# KiCad board visionboard.kicad_pcb (continued)
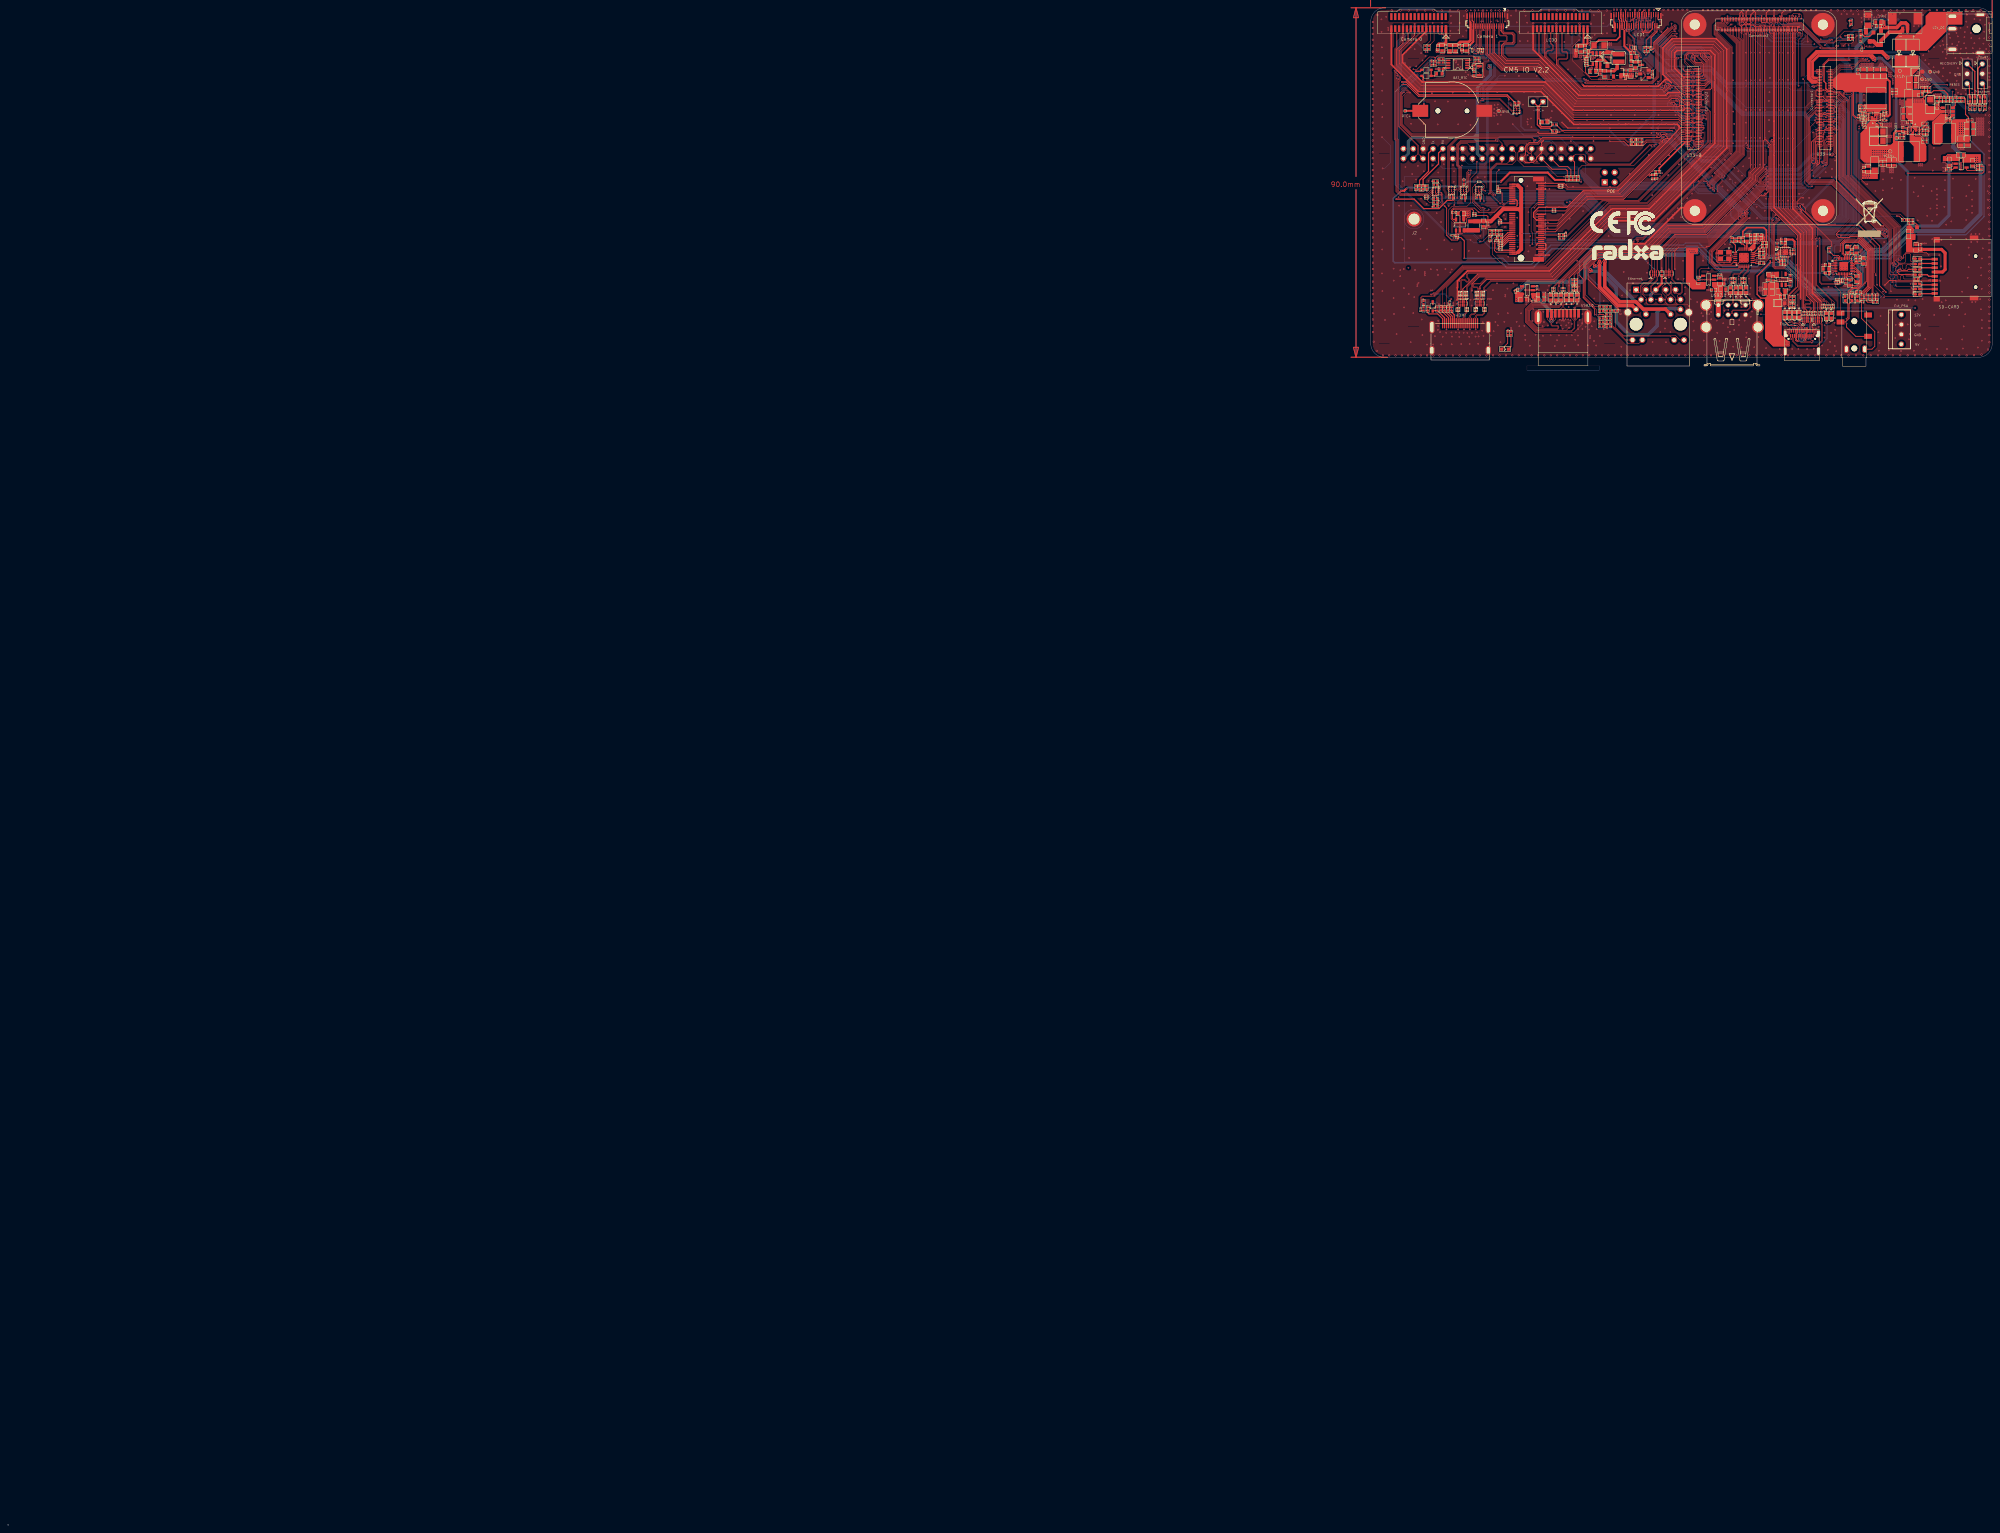
[diagram p0: board, top side]
## Routing (per net, layer and track width the routed paths; a pad name or vN(x,y) marks a point on that pad's centre or on a via; arc(x,y) is an arc through that point) (continued)
I2C8_SCL_M2_CAM: length 185.8
  Top w0.1: v1(378.06,379.59) 378.06,380.77 378.53,381.24 J5002.24 ; U33.35 467.52,361.98 v1(467.48,362.02) ; v1(379.56,367.37) 379.58,367.39 384.21,367.39 387.29,364.31 U90136.B3 ; U90129.1 470.44,325.63 470.18,325.89 470.18,326.22 470.41,326.44 v1(470.46,326.44)
  Power w0.1: v1(476.66,359.69) 474.78,361.57 473.23,361.57 472.26,360.59 468.46,360.59 467.48,361.57 v1(467.48,362.02)
  Bottom w0.1: v1(476.66,359.69) 476.51,359.54 476.51,334.16 472.06,329.72 470.61,329.72 470.23,329.34 470.23,326.67 v1(470.46,326.44) ; v1(379.56,367.37) 379.71,367.52 379.71,370.19 382.81,373.29 382.81,376.57 381.71,377.67 378.34,377.67 377.36,378.65 377.36,380.11 377.56,380.32 377.85,380.32 378.06,380.11 v1(378.06,379.59) 377.76,379.29 377.76,378.82 378.51,378.07 380.51,378.07 381.58,379.14 420.46,379.14 421.53,378.07 421.98,378.07 427.63,372.42 437.56,372.42 446.61,363.37 462.64,363.37 463.86,362.14 467.36,362.14 v1(467.48,362.02)
I2C8_SDA_M2: length 64.6
  Top w0.1: v1(417.69,356.78) 418.18,356.78 R95609.1 ; v1(420.5,377.95) 420.5,378.8 R95471.1 ; v1(389.41,363.81) 389.03,363.81 U90136.A1
  Bottom w0.1: v1(389.41,363.81) 389.56,363.66 389.56,360.17 390.55,359.18 412.32,359.18 416.16,355.33 417.84,355.33 418.04,355.54 418.04,356.22 417.69,356.57 v1(417.69,356.78) 417.69,357.14 423.78,363.23 423.78,374.89 420.72,377.95 v1(420.5,377.95)
I2C8_SDA_M2_CAM: length 183.8
  Top w0.1: U90129.32 471.31,326.49 471.21,326.59 470.96,326.59 v1(470.96,326.52) ; v1(377.71,379.97) 377.71,380.7 378.23,381.23 J5002.25 ; v1(465.26,361.79) 465.44,361.98 U33.36 ; v1(379.83,366.94) 379.83,366.97 380.06,367.19 384.12,367.19 387.51,363.81 U90136.A3
  Power w0.1: v1(476.71,360.24) 475.18,361.77 473.13,361.77 472.16,360.79 468.61,360.79 467.91,361.5 467.91,362.09 467.63,362.37 467.33,362.37 466.76,361.79 v1(465.26,361.79)
  Bottom w0.1: 380.83,377.94 380.83,378.11 ; 380.83,377.94 380.69,377.94 380.69,377.97 ; 380.83,377.94 380.91,377.87 ; 380.83,378.11 381.66,378.94 420.31,378.94 421.39,377.86 421.9,377.86 427.55,372.22 437.47,372.22 446.52,363.17 462.56,363.17 463.93,361.79 v1(465.26,361.79) ; 380.83,378.11 380.69,377.97 ; 380.59,377.87 380.69,377.97 ; 380.59,377.87 378.42,377.87 377.56,378.74 377.56,379.84 377.68,379.97 v1(377.71,379.97) ; 380.59,377.87 380.91,377.87 ; v1(379.83,366.94) 379.91,366.94 379.91,370.11 383.01,373.21 383.01,376.65 381.79,377.87 380.91,377.87 ; v1(470.96,326.52) 470.43,327.04 470.43,329.26 470.69,329.52 472.15,329.52 476.71,334.08 476.71,359.17 477.01,359.47 477.01,359.94 v1(476.71,360.24)
I2S0_LRCK_TX: length 64.5
  Top w0.1: U90129.8 470.12,322.83 v1(469.93,322.64) ; U33.48 465.68,364.38 463.77,362.46 463.77,346.54 464.19,346.12 469.87,346.12 482.22,333.77 482.68,333.77 482.88,333.56 482.88,332.84 483.13,332.59 v1(483.38,332.59)
  Bottom w0.1: v1(469.93,322.64) 470.41,323.12 470.41,324.42 470.63,324.64 472.48,324.64 480.43,332.59 v1(483.38,332.59)
I2S0_MCLK: length 61
  Top w0.1: v1(470.06,325.27) 470.06,325.24 470.06,325.23 U90129.2 ; U33.50 465.8,364.78 463.57,362.55 463.57,346.44 464.09,345.92 469.79,345.92 482.29,333.42 v1(482.53,333.42)
  Bottom w0.1: v1(482.53,333.42) 480.36,333.42 472.18,325.24 470.06,325.24 v1(470.06,325.27)
I2S0_SCLK_TX: length 62.7
  Top w0.1: U33.46 465.58,363.98 463.97,362.36 463.97,346.64 464.29,346.32 469.96,346.32 482.31,333.97 482.78,333.97 483.23,333.52 483.23,333.39 v1(483.28,333.34) ; v1(469.86,323.64) 470.68,323.64 U90129.6
  Bottom w0.1: v1(469.86,323.64) 469.86,324.44 470.46,325.04 472.28,325.04 480.28,333.04 482.98,333.04 v1(483.28,333.34)
I2S0_SDI0: length 67
  Top w0.1: v1(483.48,331.89) 483.25,331.89 469.62,345.52 463.89,345.52 463.17,346.24 463.17,363.4 465.34,365.58 U33.54 ; v1(470.93,322.12) 471.31,322.12 U90129.9
  Bottom w0.1: v1(483.48,331.89) 482.98,332.39 480.53,332.39 472.58,324.44 470.81,324.44 470.61,324.24 470.61,322.44 v1(470.93,322.12)
I2S0_SDO0: length 61.3
  Top w0.1: U90129.7 469.95,323.23 v1(469.86,323.14) ; v1(483.73,333.09) 483.73,333.39 482.95,334.17 482.41,334.17 470.06,346.52 464.39,346.52 464.17,346.74 464.17,360.16 465.58,361.58 U33.34
  Bottom w0.1: v1(469.86,323.14) 470.21,323.49 470.21,324.51 470.54,324.84 472.38,324.84 480.38,332.84 483.14,332.84 483.24,332.94 483.58,332.94 v1(483.73,333.09)
LCD1_3V3: length 30.7
  Top w0.1: v2(416.23,385.19) 416.23,385.27
  Top w0.25: U90104.31 415.93,387.44 416.23,387.14 U90104.30 416.23,385.27 ; v2(424.93,388.04) U90104.1 ; v2(418.03,385.19) U90104.24
  Top w0.5: 419.08,376.89 C90772.1 417.98,378.09 ; 419.08,376.89 R95530.2 ; 419.08,376.89 C2335.1 ; 417.98,378.09 C90751.1 416.23,380.94 v2(416.23,385.19) ; 417.98,378.09 C90750.1
  Power w0.3: v2(424.93,388.04) 424.08,388.89 418.31,388.89 416.23,386.82 v2(416.23,385.19)
  Bottom w0.4: v2(416.23,385.19) v2(418.03,385.19)
LCD_PWREN_H: length 48.3
  Top w0.1: J24.34 454.37,386.65 454.36,386.64 v1(454.01,386.32) ; v1(429.03,385.09) 429.38,385.09 429.71,385.42 429.71,386.09 429.38,386.42 429.04,386.42 424.31,381.68 424.31,375.29 R95042.1
  Power w0.1: v1(429.03,385.09) 429.06,385.12 429.76,385.12 431.41,383.47 443.26,383.47 444.79,381.94 453.11,381.94 453.88,382.72 453.88,386.17 454.02,386.31 v1(454.01,386.32)
LCD_RESET_L: length 55.1
  Top w0.1: U33.41 468.54,363.18 v1(468.38,363.02) ; v1(421.43,379.17) R95468.1
  Bottom w0.1: v1(421.43,379.17) 421.76,379.17 427.36,373.57 437.26,373.57 446.86,363.97 462.91,363.97 463.81,363.07 468.33,363.07 v1(468.38,363.02)
MIC_IN2P: length 138.3
  Top w0.051: 476.29,315.52 476.29,315.71 ; 476.19,315.58 476.19,315.77 ; 476.33,315.5 476.33,315.69 ; 476.41,315.42 476.41,315.61 ; 476.27,315.56 476.27,315.75 ; 476.37,315.46 476.37,315.65 ; 476.08,315.46 476.08,315.65 ; 476.22,315.6 476.22,315.79 ; 476.04,315.42 476.04,315.61 ; 476.17,315.54 476.17,315.73 ; 476.24,315.59 476.24,315.78 ; 476.14,315.51 476.14,315.7 ; 476.12,315.49 476.12,315.68
  Top w0.2: ED2109.1 476.23,315.14 477.26,315.14 C90084.1 ; C90084.1 477.28,315.89 C560.2 R7313.1 478.56,315.29 478.88,314.97 479.91,314.97 ; C90084.1 477.28,310.79 480.71,307.37 480.71,303.62 479.96,302.87 J15.5 ; 479.91,314.97 v1(479.91,314.94) ; 479.91,314.97 R7314.2 ; R7120.1 400.21,359.14 v1(428.58,359.14) ; v1(461.51,339.82) 461.51,339.36 466.07,334.79 476.58,334.79 481.96,329.42 481.96,319.17 v1(483.56,317.57)
  Bottom w0.2: v1(483.56,317.57) 480.93,314.94 v1(479.91,314.94) ; v1(461.51,339.82) 461.26,339.57 452.47,339.57 440.29,351.74 436.23,351.74 429.11,358.87 428.86,358.87 v1(428.58,359.14)
MICBIAS1: length 24.1
  Top w0.2: v1(474.53,329.57) 474.38,329.42 474.38,328.28 473.81,327.71 C562.1 U90129.26 ; C7320.1 R7313.2 478.56,317.49 479.73,318.67 479.73,328.42 476.7,331.44 v1(476.43,331.44)
  Bottom w0.2: v1(474.53,329.57) 474.54,329.56 v1(476.43,331.44)
MIPI_CAM2_PDN_L: length 98.5
  Top w0.1: v1(468.33,364.24) 468.33,364.29 468.42,364.38 U33.47 ; R814.1 378.61,379.59 v1(378.61,379.12)
  Bottom w0.1: v1(378.61,379.12) 378.61,378.77 378.88,378.49 380.33,378.49 381.38,379.54 421.67,379.54 426.85,374.37 438.31,374.37 447.51,365.17 463.26,365.17 464.18,364.24 v1(468.33,364.24)
MIPI_CAM2_RST_L: length 97.7
  Top w0.1: v1(378.11,378.99) 377.43,378.99 377.03,379.39 R95580.1 ; v1(465.58,362.49) 465.7,362.38 U33.38
  Bottom w0.1: v1(465.58,362.49) 463.81,362.49 462.73,363.57 446.69,363.57 437.09,373.17 427.17,373.17 422.07,378.27 421.63,378.27 420.56,379.34 381.48,379.34 380.43,378.29 378.78,378.29 378.09,378.98 v1(378.11,378.99)
MIPI_CSI0_RX_CLK0N: length 90.7
  Top w0.1: U33.140 432.05,362.78 431.93,362.89 430.91,362.89 430.13,363.67 403.01,363.67 395.58,371.09 363.93,371.09 358.56,376.47 358.56,379.42 363.41,384.27 363.41,384.62 363.23,384.79 J7.8
MIPI_CSI0_RX_CLK0P: length 90.5
  Top w0.1: J7.7 364.23,384.81 358.76,379.33 358.76,376.56 364.02,371.29 395.68,371.29 403.11,363.87 430.21,363.87 430.99,363.09 431.96,363.09 432.04,363.18 U33.142
MIPI_CSI0_RX_D0N: length 91.6
  Top w0.1: U33.128 432.02,360.38 431.93,360.47 430.98,360.47 430.18,361.27 403.23,361.27 394.86,369.64 363.28,369.64 357.13,375.79 357.13,380.22 357.48,380.57 357.48,384.54 357.23,384.79 J7.14
MIPI_CSI0_RX_D0P: length 91.4
  Top w0.1: U33.130 432.07,360.78 431.96,360.67 431.06,360.67 430.26,361.47 403.36,361.47 394.98,369.84 363.38,369.84 357.33,375.89 357.33,380.11 357.68,380.46 357.68,384.27 358.23,384.82 J7.13
MIPI_CSI0_RX_D1N: length 91.2
  Top w0.1: U33.134 432.05,361.58 431.96,361.67 430.89,361.67 430.09,362.47 403.16,362.47 395.26,370.37 363.61,370.37 357.83,376.14 357.83,379.9 360.48,382.55 360.48,384.54 360.23,384.79 J7.11
MIPI_CSI0_RX_D1P: length 91
  Top w0.1: U33.136 432.04,361.98 431.93,361.87 430.98,361.87 430.18,362.67 403.26,362.67 395.36,370.57 363.71,370.57 358.03,376.24 358.03,379.82 360.68,382.47 360.68,384.27 361.23,384.82 J7.10
MIPI_DPHY0_RX_CLKN: length 74.3
  Top w0.1: U33.127 435.18,360.39 v1(436.01,360.39) ; v1(430.93,365.24) 430.78,365.09 403.18,365.09 393.51,374.77 384.76,374.77 380.63,378.89 J5002.17
  Bottom w0.1: v1(436.01,360.39) 435.86,360.54 435.29,360.54 431.01,364.82 431.01,365.17 v1(430.93,365.24)
MIPI_DPHY0_RX_CLKP: length 74.4
  Top w0.1: U33.129 436.15,360.78 v1(436.51,360.42) ; J5002.18 380.33,385.47 380.41,385.39 380.41,378.82 384.66,374.57 393.42,374.57 403.1,364.89 431.28,364.89 v1(431.36,364.97)
  Bottom w0.1: v1(436.51,360.42) 436.58,360.49 436.96,360.49 437.16,360.69 437.16,360.94 437.03,361.07 436.66,361.07 436.33,360.74 435.38,360.74 431.36,364.77 v1(431.36,364.97)
MIPI_DPHY0_RX_D0N: length 75
  Top w0.1: J5002.14 381.53,385.34 381.63,385.24 381.63,378.94 385.11,375.47 393.8,375.47 403.47,365.79 428.46,365.79 v1(428.61,365.94) ; v1(436.01,357.92) 435.7,357.93 435.18,357.93 U33.115
  Bottom w0.1: v1(436.01,357.92) 435.86,358.07 435.16,358.07 428.73,364.49 428.73,365.34 428.58,365.49 427.46,365.49 427.26,365.69 427.26,366.14 427.46,366.34 428.21,366.34 v1(428.61,365.94)
MIPI_DPHY0_RX_D0P: length 75.3
  Top w0.1: 381.26,388.94 J5002.15 381.23,385.34 381.43,385.14 381.43,378.84 385.01,375.27 393.71,375.27 403.39,365.59 428.91,365.59 v1(429.08,365.77) ; v1(436.01,358.42) 435.18,358.42 U33.117
  Bottom w0.1: v1(436.01,358.42) 435.86,358.27 435.26,358.27 428.93,364.59 428.93,365.62 v1(429.08,365.77)
MIPI_DPHY0_RX_D1N: length 74.2
  Top w0.1: v1(429.56,367.02) 429.56,366.87 428.26,366.87 427.88,366.49 403.76,366.49 394.04,376.22 385.43,376.22 382.43,379.22 J5002.11 ; v1(436.01,359.12) 435.95,359.18 U33.121
  Bottom w0.1: v1(436.01,359.12) 435.86,359.27 435.2,359.27 429.78,364.69 429.78,366.44 429.56,366.67 v1(429.56,367.02)
MIPI_DPHY0_RX_D1P: length 74.4
  Top w0.1: U33.123 436.25,359.58 v1(436.41,359.42) ; v1(429.98,366.74) 429.91,366.67 428.36,366.67 427.98,366.29 403.68,366.29 393.98,375.99 385.36,375.99 382.23,379.12 382.23,385.37 382.13,385.47 J5002.12
  Bottom w0.1: v1(436.41,359.42) 436.36,359.47 435.28,359.47 429.98,364.77 429.98,366.22 430.13,366.37 430.33,366.37 430.46,366.49 430.46,367.37 430.31,367.52 430.06,367.52 429.91,367.37 429.91,366.82 v1(429.98,366.74)
MIPI_DPHY0_RX_D2N: length 74.6
  Top w0.1: v1(431.01,366.62) 430.86,366.77 430.86,367.14 430.13,367.87 428.21,367.87 427.53,367.19 404.05,367.19 394.33,376.92 385.78,376.92 384.06,378.64 384.06,381.84 384.26,382.04 385.76,382.04 386.03,382.32 386.03,383.44 385.73,383.74 384.31,383.74 384.06,383.99 384.06,385.17 384.23,385.34 J5002.5 ; U33.133 435.18,361.59 v1(436.01,361.59)
  Bottom w0.1: v1(436.01,361.59) 435.61,361.59 431.08,366.12 431.08,366.54 v1(431.01,366.62)
MIPI_DPHY0_RX_D2P: length 75.2
  Top w0.1: v1(436.31,361.99) 436.31,361.98 U33.135 ; v1(431.43,366.32) 431.38,366.27 430.86,366.27 430.66,366.47 430.66,367.06 430.05,367.67 428.31,367.67 427.63,366.99 403.97,366.99 394.24,376.72 385.68,376.72 383.86,378.54 383.86,381.94 384.16,382.24 385.66,382.24 385.83,382.42 385.83,383.34 385.63,383.54 384.21,383.54 383.86,383.89 383.86,385.39 383.93,385.47 J5002.6
  Bottom w0.1: v1(436.31,361.99) 436.31,362.46 435.82,362.94 435.33,362.94 435.21,362.82 435.21,362.62 435.37,362.45 435.8,362.45 435.92,362.33 435.92,362.15 435.8,362.03 435.46,362.03 431.36,366.13 431.36,366.24 v1(431.43,366.32)
MIPI_DPHY0_RX_D3N: length 75.8
  Top w0.1: v1(436.56,362.99) 436.51,362.94 435.88,362.94 435.72,362.78 U33.139 ; v1(430.96,368.34) 430.68,368.34 430.46,368.57 427.86,368.57 427.18,367.89 404.34,367.89 394.59,377.64 386.16,377.64 385.06,378.74 385.06,380.89 385.46,381.29 387.58,381.29 388.08,381.79 388.08,383.94 387.51,384.52 385.31,384.52 385.06,384.77 385.06,385.39 385.13,385.47 J5002.2
  Bottom w0.1: v1(430.96,368.34) 430.78,368.52 429.61,368.52 429.48,368.39 429.48,368.19 429.63,368.04 430.61,368.04 435.31,363.34 436.41,363.34 436.56,363.19 v1(436.56,362.99)
MIPI_DPHY0_RX_D3P: length 76.8
  Top w0.1: U33.141 436.24,363.18 436.41,363.34 436.76,363.34 v1(437.06,363.04) ; 384.88,388.94 J5002.3 384.83,384.71 385.22,384.32 387.41,384.32 387.86,383.86 387.86,381.88 387.48,381.49 385.36,381.49 384.86,380.99 384.86,378.64 386.08,377.42 394.53,377.42 404.26,367.69 427.32,367.69 428,368.37 430.36,368.37 430.81,367.92 v1(431.23,367.92)
  Bottom w0.1: v1(431.23,367.92) 431.18,367.92 431.18,367.77 435.41,363.54 436.5,363.54 436.91,363.14 436.91,363.14 v1(437.06,363.04)
MIPI_DPHY0_TX_CLKN: length 55.8
  Top w0.1: v1(436.01,368.79) 435.18,368.79 U33.169 ; J6.11 396.73,384.79 397.13,384.39 397.13,381.62 397.71,381.04 397.71,380.17 397.41,379.87 396.53,379.87 395.98,379.32 395.98,378.26 404.9,369.34 426.25,369.34 427.53,370.63 v1(427.53,370.87)
  Bottom w0.1: v1(427.53,370.87) 427.68,371.02 434.53,371.02 435.01,370.54 435.01,369.37 435.43,368.94 435.86,368.94 v1(436.01,368.79)
MIPI_DPHY0_TX_CLKP: length 55.6
  Top w0.1: v1(436.01,369.29) 435.89,369.18 U33.171 ; J6.10 397.73,384.79 397.33,384.39 397.33,381.7 397.91,381.13 397.91,380.07 397.51,379.67 396.61,379.67 396.18,379.24 396.18,378.35 404.98,369.54 426.17,369.54 427.03,370.41 v1(427.03,370.69)
  Bottom w0.1: v1(427.03,370.69) 427.06,370.72 427.06,370.89 427.39,371.22 434.63,371.22 435.21,370.64 435.21,369.47 435.53,369.14 435.86,369.14 v1(436.01,369.29)
MIPI_DPHY0_TX_D0N: length 54.8
  Top w0.1: v1(436.03,366.24) 435.9,366.38 U33.157 ; J6.8 399.73,384.74 400.06,384.42 400.06,379.64 400.33,379.37 401.23,379.37 401.48,379.12 401.48,377.94 401.26,377.72 399.38,377.72 398.98,377.32 398.98,376.25 405.19,370.04 425.52,370.04 425.77,370.29 v1(425.98,370.29)
  Bottom w0.1: v1(425.98,370.29) 426.28,370.29 427.48,369.09 431.56,369.09 434.26,366.39 435.88,366.39 v1(436.03,366.24)
MIPI_DPHY0_TX_D0P: length 54.9
  Top w0.1: U33.159 436.02,366.78 v1(436.06,366.74) ; J6.7 400.73,384.79 400.26,384.32 400.26,379.73 400.41,379.57 401.33,379.57 401.68,379.22 401.68,377.84 401.36,377.52 399.46,377.52 399.18,377.24 399.18,376.34 405.28,370.24 425.43,370.24 426.01,370.82 426.05,370.82 v1(426.08,370.79)
  Bottom w0.1: v1(436.06,366.74) 435.91,366.59 434.36,366.59 431.66,369.29 427.58,369.29 v1(426.08,370.79)
MIPI_DPHY0_TX_D1N: length 55
  Top w0.1: v1(436.01,367.59) 436.01,367.58 U33.163 ; J6.14 393.73,384.77 394.11,384.39 394.11,379.15 404.61,368.64 426.56,368.64 427.83,369.92 v1(428.06,369.92)
  Bottom w0.1: v1(428.06,369.92) 432.66,369.92 434.83,367.74 435.86,367.74 v1(436.01,367.59)
MIPI_DPHY0_TX_D1P: length 54.8
  Top w0.1: v1(428.46,370.29) 427.91,370.29 426.46,368.84 404.69,368.84 394.36,379.18 394.36,384.39 394.73,384.77 J6.13 ; v1(436.01,368.09) 435.89,367.98 U33.165
  Bottom w0.1: v1(436.01,368.09) 435.86,367.94 434.91,367.94 432.74,370.12 428.63,370.12 v1(428.46,370.29)
MIPI_DPHY1_TX_CLKN: length 31.8
  Top w0.1: v1(435.13,378.44) 435.13,378.27 437.01,376.39 437.01,372.82 436.68,372.49 435.78,372.49 435.67,372.38 U33.187 ; U90104.13 421.33,388.19 v1(421.26,388.12)
  Bottom w0.1: v1(421.26,388.12) 421.23,388.09 421.41,387.91 421.41,386.7 421.71,386.4 421.71,384.82 420.51,383.62 420.51,382.95 420.69,382.77 425.34,382.77 428.64,379.47 434.21,379.47 435.13,378.54 v1(435.13,378.44)
MIPI_DPHY1_TX_CLKP: length 31.4
  Top w0.1: U33.189 435.7,372.78 435.78,372.69 436.58,372.69 436.81,372.92 436.81,376.29 435.21,377.89 v1(434.63,378.42) ; U90104.14 421.03,387.59 v1(421.01,387.62)
  Bottom w0.1: v1(434.63,378.42) 434.63,378.74 434.11,379.27 428.56,379.27 425.26,382.57 420.61,382.57 420.31,382.87 420.31,383.72 421.51,384.92 421.51,386.32 421.21,386.62 421.21,387.42 v1(421.01,387.62)
MIPI_DPHY1_TX_D0N: length 32
  Top w0.1: U33.175 435.65,369.98 435.77,370.09 436.93,370.09 438.46,371.62 438.46,377.77 438.28,377.94 v1(438.28,378.14) ; v1(423.13,388.14) U90104.7
  Bottom w0.1: v1(438.28,378.14) 435.76,380.67 429.18,380.67 425.88,383.97 425.14,383.97 423.23,385.88 423.23,388.07 423.16,388.14 v1(423.13,388.14)
MIPI_DPHY1_TX_D0P: length 31.6
  Top w0.1: v1(437.78,378.14) 438.26,377.67 438.26,371.72 436.83,370.29 435.79,370.29 435.71,370.38 U33.177 ; v1(422.88,387.57) 422.83,387.52 U90104.8
  Bottom w0.1: v1(437.78,378.14) 437.78,378.34 435.66,380.47 429.1,380.47 426.11,383.45 426.11,383.45 425.79,383.77 425.06,383.77 423.03,385.79 423.03,387.42 v1(422.88,387.57)
MIPI_DPHY1_TX_D1N: length 31.9
  Top w0.1: v1(421.98,387.47) 422.23,387.22 U90104.10 ; v1(436.81,378.32) 436.81,378.04 437.71,377.14 437.71,371.92 436.97,371.18 U33.181
  Bottom w0.1: v1(436.81,378.32) 436.68,378.19 436.21,378.19 434.53,379.87 428.81,379.87 425.51,383.17 422.64,383.17 422.13,383.68 422.13,387.32 v1(421.98,387.47)
MIPI_DPHY1_TX_D1P: length 31.5
  Top w0.1: U90104.11 421.96,389.04 v1(421.96,387.97) ; v1(436.36,378.54) 436.28,378.54 436.28,378.27 437.51,377.04 437.51,372.02 436.88,371.39 435.89,371.39 435.71,371.58 U33.183
  Bottom w0.1: v1(421.96,387.97) 422.06,387.97 422.33,387.69 422.33,383.76 422.72,383.37 425.61,383.37 428.91,380.07 434.63,380.07 436.16,378.54 v1(436.36,378.54)
MIPI_DPHY1_TX_D2N: length 31.2
  Top w0.1: U33.193 435.67,373.58 435.86,373.77 436.03,373.77 436.31,374.04 436.31,375.92 435.83,376.39 434.58,376.39 433.53,377.44 433.53,377.87 433.66,377.99 v1(433.83,377.99) ; U90104.16 420.43,387.22 v1(420.11,387.54)
  Bottom w0.1: v1(433.83,377.99) 433.13,377.99 432.46,378.67 428.31,378.67 425.01,381.97 419.66,381.97 418.98,382.64 418.98,383.83 420.26,385.1 420.26,387.39 v1(420.11,387.54) 420.08,387.57
MIPI_DPHY1_TX_D2P: length 30.8
  Top w0.1: v1(433.61,378.44) 433.61,378.27 433.33,377.99 433.33,377.34 434.48,376.19 435.73,376.19 436.11,375.82 436.11,374.14 435.94,373.98 U33.195 ; v1(420.13,388.04) U90104.17
  Bottom w0.1: v1(420.13,388.04) 420.46,387.72 420.46,385.02 419.18,383.74 419.18,382.73 419.74,382.17 425.09,382.17 428.39,378.87 432.56,378.87 433.23,378.19 433.53,378.19 433.61,378.27 v1(433.61,378.44)
MIPI_DPHY1_TX_D3N: length 26.9
  Top w0.1: U33.194 431.28,373.58 429.56,375.3 429.56,377.82 429.68,377.94 v1(429.71,377.92) ; v1(419.31,387.72) 419.53,387.94 U90104.19
  Bottom w0.1: v1(419.31,387.72) 418.98,387.39 418.98,384.68 418.28,383.98 418.28,382.38 419.29,381.37 424.76,381.37 428.06,378.07 429.56,378.07 v1(429.71,377.92)
MIPI_DPHY1_TX_D3P: length 25.7
  Top w0.1: v1(419.33,387.12) 419.21,386.99 419.21,386.17 U90104.20 ; U33.196 431.16,373.98 429.76,375.39 429.76,377.47 v1(430.21,377.92)
  Bottom w0.1: v1(419.33,387.12) 419.18,386.97 419.18,384.59 418.48,383.89 418.48,382.46 419.37,381.57 424.84,381.57 428.14,378.27 429.86,378.27 v1(430.21,377.92)
OVCJ: length 3.4
  Top w0.25: U17.1 444.81,329.66 R96.2
PCIE20_0_REFCLKN: length 47.7
  Top w0.1: U4301.49 394.81,333.62 v1(395.86,333.62) ; U33.112 432.02,357.18 431.91,357.07 430.92,357.07 415.8,341.94 406.63,341.94 398.51,333.82 396.68,333.82 v1(396.46,334.04)
  Bottom w0.1: v1(396.46,334.04) 396.28,334.04 v1(395.86,333.62)
PCIE20_0_REFCLKP: length 47.6
  Top w0.1: U4301.47 395.88,334.1 396.36,333.62 398.61,333.62 406.73,341.74 415.9,341.74 431.02,356.87 431.93,356.87 432.02,356.78 U33.110
PCIE20_0_RXN: length 47.5
  Top w0.1: v1(395.83,335.12) 394.81,335.12 U4301.43 ; v1(396.51,335.52) 396.71,335.32 398.96,335.32 406.28,342.64 415.31,342.64 430.94,358.27 431.93,358.27 432.04,358.38 U33.118
  Bottom w0.1: v1(396.51,335.52) 396.11,335.12 v1(395.83,335.12)
PCIE20_0_RXP: length 47.5
  Top w0.1: U4301.41 395.91,335.6 396.39,335.12 399.06,335.12 406.38,342.44 415.4,342.44 431.02,358.07 431.96,358.07 432.05,357.98 U33.116
PCIE20_0_TXN: length 42.9
  Top w0.1: C90393.1 398.56,338.64 401.16,338.64 405.86,343.34 414.71,343.34 430.83,359.47 431.91,359.47 432.02,359.58 U33.124
PCIE20_0_TXP: length 42.9
  Top w0.1: C90392.1 398.56,338.44 401.24,338.44 405.94,343.14 414.81,343.14 430.93,359.27 431.96,359.27 432.05,359.18 U33.122
PCIE20X1_2_CLKREQN_M0: length 43.3
  Top w0.1: U33.102 432.96,355.18 433.26,354.88 433.26,354.72 419.78,341.24 410.53,341.24 401.46,332.17 R95151.1 400.56,332.17 R95144.1
PCIE20X1_2_PERSTN_M0: length 73.7
  Top w0.1: U33.109 434.42,356.78 434.26,356.62 434.26,355.12 419.96,340.82 411.66,340.82 395.63,324.79 384.76,324.79 382.21,327.34 382.21,331.09 382.81,331.69 383.45,331.69 R95145.1
PCIE20X1_2_WAKEN_M0: length 81.3
  Top w0.1: U33.24 465.93,359.58 465.77,359.42 v1(465.51,359.42) ; v1(433.91,356.62) 434.03,356.49 434.03,355.21 419.86,341.04 410.63,341.04 400.98,331.39 R95146.1
  Bottom w0.1: v1(433.91,356.62) 433.91,356.27 435.12,355.06 446.62,355.06 447.78,353.89 459.41,353.89 464.93,359.42 v1(465.51,359.42)
PHY1_LED0_Y1: length 96.9
  Top w0.1: v1(452.71,349.39) 452.56,349.24 452.34,349.24 450.45,347.35 450.45,346.26 437.03,332.84 428.21,332.84 422.49,327.12 409.61,327.12 406.08,323.59 406.08,316.32 408.61,313.79 R6.1 ; U33.19 470.02,358.78 470.57,358.23 470.57,353.18 470.08,352.69 v1(469.68,352.69)
  Bottom w0.1: v1(452.71,349.39) 453.01,349.39 453.26,349.14 460.72,349.14 464.75,353.17 469.25,353.17 469.71,352.71 469.71,352.69 v1(469.68,352.69)
PHY1_LED1_G: length 103
  Top w0.051: 409.89,310.87 410.08,310.87 ; 409.87,310.68 410.06,310.68 ; 409.9,310.72 410.09,310.72 ; 409.84,310.64 410.03,310.64 ; 409.8,310.97 409.99,310.97 ; 409.84,310.93 410.03,310.93 ; 409.95,310.82 410.14,310.82 ; 409.91,310.84 410.1,310.84 ; 409.8,310.6 409.99,310.6 ; 409.98,310.79 410.17,310.79 ; 409.96,310.77 410.15,310.77 ; 409.86,310.89 410.05,310.89 ; 409.94,310.74 410.13,310.74
  Top w0.1: U33.17 469.97,358.38 470.37,357.98 470.37,353.48 v1(469.98,353.09) ; v1(452.86,349.89) 452.71,349.89 450.25,347.43 450.25,346.34 436.95,333.04 428.13,333.04 422.4,327.32 409.51,327.32 405.88,323.69 405.88,316.24 409.03,313.09 409.03,311.62 D3.2 409.86,309.84 R3.1 R2.2
  Bottom w0.1: v1(469.98,353.09) 469.97,353.08 469.68,353.37 464.66,353.37 460.64,349.34 453.41,349.34 v1(452.86,349.89)
PHY1_LED2_Y: length 96.5
  Top w0.1: v1(469.16,352.77) 470.17,353.78 470.17,357.72 469.91,357.98 U33.15 ; v1(452.93,348.94) 452.83,349.04 452.42,349.04 450.65,347.27 450.65,346.17 450.56,346.09 437.12,332.64 428.3,332.64 422.57,326.92 409.71,326.92 406.28,323.49 406.28,316.82 408.71,314.39 411.93,314.39 R5.1
  Bottom w0.1: v1(469.16,352.77) 468.96,352.97 464.83,352.97 460.81,348.94 v1(452.93,348.94)
PHY1_MDI0+: length 72.1
  Top w0.1: v1(452.96,348.24) 452.96,348.14 452.56,348.14 451.17,346.75 451.17,345.64 437.62,332.09 429.29,332.09 423.13,325.94 423.13,323.21 422.99,323.07 U5.10 U5.1 422.99,321.69 423.13,321.54 423.13,320.87 422.23,319.97 421.13,319.97 420.31,319.14 420.31,317.57 420.21,317.47 419.95,317.47 J3.1 ; v1(464.78,351.44) 464.71,351.44 464.63,351.52 464.63,352.14 464.83,352.34 464.83,356.29 465.61,357.07 466.01,357.07 466.12,357.18 U33.12
  Bottom w0.1: v1(464.78,351.44) 464.78,351.19 461.68,348.09 453.11,348.09 v1(452.96,348.24)
PHY1_MDI0-: length 72.1
  Top w0.1: v1(452.73,347.79) 452.49,347.79 451.37,346.67 451.37,345.56 437.65,331.84 429.33,331.84 423.33,325.84 423.33,323.25 423.49,323.09 U5.9 U5.2 423.49,321.67 423.33,321.52 423.33,320.77 422.33,319.77 421.23,319.77 420.51,319.04 J3.2 ; U33.10 466.1,356.78 466.01,356.87 465.69,356.87 465.03,356.21 465.03,351.92 v1(464.98,351.92)
  Bottom w0.1: v1(464.98,351.92) 464.94,351.88 465.13,351.69 465.13,351.24 461.78,347.89 452.83,347.89 v1(452.73,347.79)
PHY1_MDI1+: length 71.7
  Top w0.1: U33.4 465.99,355.58 465.83,355.42 465.83,351.39 465.93,351.29 v1(465.98,351.34) ; J3.3 421.33,318.19 421.21,318.06 421.21,317.04 421.43,316.82 423.26,316.82 423.43,316.99 423.43,317.22 422.96,317.69 422.96,319.09 424.63,320.77 424.63,321.52 424.49,321.66 U5.4 U5.7 424.49,323.07 424.63,323.21 424.63,326.36 429.59,331.32 437.7,331.32 451.77,345.39 451.77,345.96 v1(452.81,346.99)
  Bottom w0.1: v1(452.81,346.99) 452.96,346.84 461.53,346.84 465.98,351.29 v1(465.98,351.34)
PHY1_MDI1-: length 71.5
  Top w0.1: v1(452.83,346.49) 452.61,346.49 451.97,345.85 451.97,345.31 437.78,331.12 429.69,331.12 424.83,326.26 424.83,323.22 424.99,323.07 U5.6 U5.5 424.99,321.69 424.83,321.54 424.83,320.66 423.16,318.99 423.16,317.79 423.88,317.07 425.66,317.07 425.88,316.84 425.88,315.94 J3.6 ; U33.6 466.09,355.98 465.63,355.52 465.63,351.14 465.93,350.84 v1(466.03,350.84)
  Bottom w0.1: v1(452.83,346.49) 452.98,346.64 461.63,346.64 465.88,350.89 465.98,350.89 v1(466.03,350.84)
PHY1_MDI2+: length 71.2
  Top w0.1: v1(452.73,345.69) 452.37,345.33 452.37,345.14 437.79,330.57 429.91,330.57 426.83,327.49 426.83,323.21 426.69,323.07 U6.10 U6.1 426.69,321.67 426.83,321.52 426.83,320.29 428.03,319.09 428.03,317.45 427.55,316.97 427.21,316.97 426.86,317.32 J3.7 ; v1(466.96,351.14) 467.04,351.06 467.61,351.62 467.61,356.57 468.11,357.07 468.63,357.07 468.74,357.18 U33.11